# Altium PCB Board.PcbDoc (part 2 of 3)
Units mil, origin at the board's own origin, x right, y up, seen from the top; angles counter-clockwise.
Board outline 8590 x 4645 mil, 4 copper layers (Top Layer, Layer 1, Layer 2, Bottom Layer), stack 23.756 mil thick; 245 components, 130 nets, 802 pads, 765 vias.
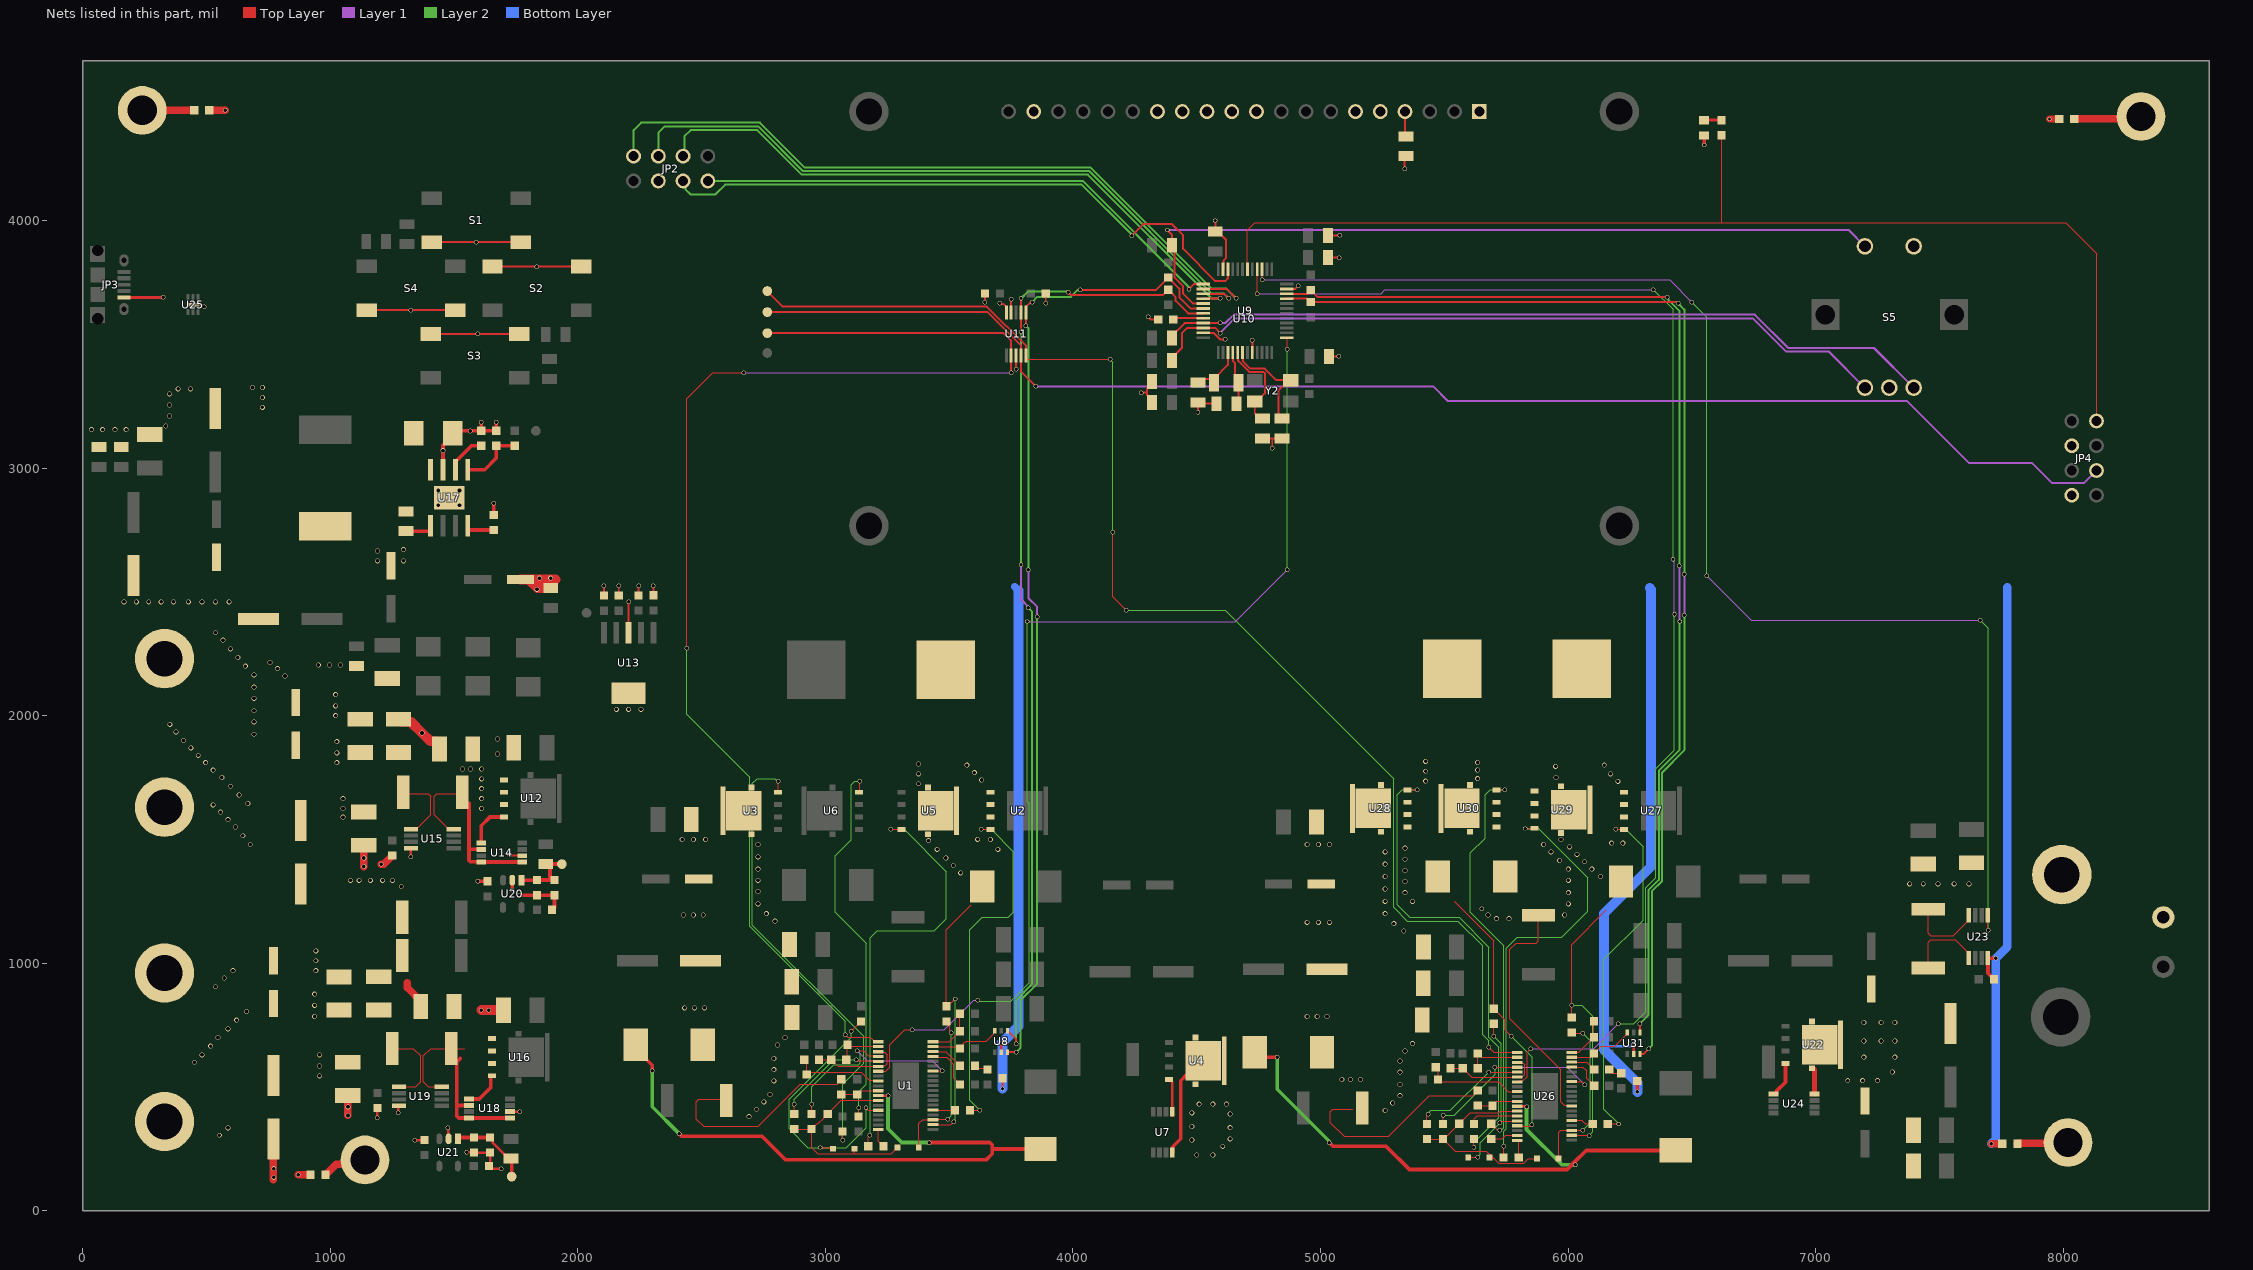
[diagram p4: the nets of this part, all layers, seen from the top]

## Via types
v1: diameter 20, hole 15, Top Layer to Bottom Layer, 502 vias
v2: diameter 18, hole 14, Top Layer to Bottom Layer, 262 vias
v3: diameter 40, hole 28, Top Layer to Bottom Layer, 1 vias

## Nets (pads, with @x,y where several pads share a name; then routed paths per layer and width w, separated by ;. In a path a pad name is that pad's centre, name@x,y a point inside that pad or via, vN(x,y) a via of type N, cw(c..) or ccw(c..) an arc to the next point about the centre after c; other vN are vias at no path point) (continued)
DAC_OUTB: TP2.1 U1.1 U11.2 | length 5462
  Top Layer w5: v2(2439.01,2271.82) 2439.01,3279.01 2545,3385 v2(2670,3385) ; v2(3080,710) 3080.29,710 3089.43,700.86 3180.08,700.86 3198.77,682.17 U1.1@3213.62,682.17
  Top Layer w8: TP2.1@2765,3545 3718.96,3545 3749.95,3514.02 3749.95,3455.37 U11.2@3750.31,3455 3750.31,3385 v2(3750.15,3384.83)
  Layer 1 w5: v2(2670,3385) 3749.99,3385 v2(3750.15,3384.83)
  Layer 2 w5: v2(2439.01,2271.82) 2439.01,2005.99 2695,1750 2695,1149.72 3080,764.72 v2(3080,710)
DAC_OUTC: JP4.6 TP3.1 U11.4 | length 5738
  Top Layer w8: TP3.1@2765,3630 3655,3630 3789.69,3495.31 U11.4@3789.69,3455 3789.69,3390.31 v2(3850,3330)
  Layer 1 w8: v2(3850,3330) 5455,3330 5515,3270 7370,3270 7620,3020 7875,3020 7955,2940 8085,2940 JP4.6@8135,2990
DAC_OUTD: TP4.1 U11.5 U26.1 | length 5421.2
  Top Layer w5: U11.5@3809.37,3455 3809.37,3443.41 3812.78,3440 v2(4150,3440) ; v2(4160,2740) 4160,2480 v2(4215,2425) ; v2(5680,660) 5700.76,639.24 U26.1@5795,639.24
  Top Layer w8: TP4.1@2765,3715 2827.51,3652.49 3652.51,3652.49 3809.37,3495.63 U11.5@3809.37,3455
  Layer 2 w5: v2(4150,3440) 4150,3436.67 4160,3426.67 v2(4160,2740) ; v2(4215,2425) 4615,2425 5295,1745 5295,1225 5350,1170 5555,1170 5655,1070 5655,710.86 5680,685.86 v2(5680,660)
GND: C18.2 C20.1 C21.1 C22.1 C23.1 C24.2 C25.2 C26.2 C27.2 C28.2 C29.2 C30.1 C31.1 C32.1 C33.2 C34.2 C35.2 C36.2 C37.2 C38.2 C39.2 C40.2 C41.2 C42.2 C43.2 C44.1 C45.2 C46.2 C47.2 C48.2 C49.2 C50.2 C51.2 C52.1 C53.2 C54.2 C55.2 C56.2 C58.1 C59.1 C60.2 C61.2 C62.2 C63.2 C64.2 C65.2 C66.1 C67.1 C68.1 C69.1 C70.1 C71.1 C79.2 C97.2 D8.2 D9.2 JP2.3 JP3.5 JP4.3 JP4.7 JP10.1 JP11.1 R16.1 R20.1 R24.2 R25.2 R28.2 R29.2 R33.2 R34.1 R37.1 R38.1 R41.1 R42.1 S1.2 S2.2 S3.2 S4.2 S5.2 S5.C U8.2 U9.8 U9.23 U9.35 U9.47 U10.1 U10.19 U11.3 U11.9 U11.10 U13.3 U14.6 U15.4 U17.7 U18.6 U19.4 U20.2 U21.2 U23.4 U25.7 U31.2 | length 12684.9
  Top Layer w8: JP3.5@166.3,3689.45 JP3.5@166.57,3689.72 ; v2@324.72,3689.72 v2(325,3690) ; U25.7@466.25,3660 480,3660 v2@490,3650 ; S4.2@1146.73,3637.83 v2(1325,3637.83) S4.2@1505,3637.83 S4.2@1528.56,3661.39 ; S3.2@1405,3541.73 v2(1595,3541.73) S3.2@1763.27,3541.73 ; S1.2@1410,3912.83 v2(1589.13,3912.83) S1.2@1768.27,3912.83 ; S2.2@1655,3813.9 v2(1834.13,3813.9) S2.2@2013.27,3813.9 ; v2(1720.36,1442.13) 1728.67,1433.82 U14.6@1775,1433.82 ; C42.2@2105,2485 v2(2105,2525) ; C41.2@2165,2485 v2(2165,2525) ; U13.3@2205,2335 v2(2205,2460) ; C40.2@2244.84,2485 C40.2@2245,2485.16 v2(2245,2525) ; C39.2@2304.49,2485 C39.2@2305,2485.51 v2(2305,2525) ; v2(3643.51,3670.49) 3644.49,3671.47 C29.2@3644.49,3705 ; v2(3705,3665) 3706.91,3663.09 3718.41,3663.09 3730.63,3650.87 U11.10@3730.63,3628.23 ; U11.9@3750.31,3628.23 3750.31,3680.93 v2(3750.45,3681.06) ; v2(3770,3400) U11.3@3770,3455 ; v2(3890,3665) 3890,3704.49 C28.2@3890.51,3705 ; v2(4275,3305) 4300,3305 ; v2@4305,3610 4315,3600 R16.1@4344.49,3600 ; C30.1@4320,3265 4320,3275 4300,3295 4300,3305 ; C26.2@4320,3350 4320,3340 4300,3320 4300,3305 ; v2(4505,3225) C20.1@4505,3265 4510,3260 C21.1@4580,3260 ; U9.47@4526.75,3546.4 4567.7,3546.4 4594,3520.09 4614.91,3520.09 v2(4615,3520) ; v2(4575,4000) C27.2@4575,3955 4585,3955 4618.73,3921.27 4618.73,3848.73 4607.9,3837.9 4607.9,3804.75 U9.35@4606.4,3803.25 ; U9.8@4724.53,3466.75 4724.53,3514.53 v2@4725,3515 ; C22.1@4765,3120 4805,3120 ; v2@4805,3080 4805,3120 ; C23.1@4845,3120 4805,3120 ; U9.23@4863.25,3723.6 4898.6,3723.6 v2@4910,3735 ; C25.2@5025.51,3459.49 C25.2@5035,3450 v2@5075,3450 ; C31.1@5030,3850 v2(5075,3850) ; C24.2@5030,3940 v2(5077.01,3940.02) ; v2(5340,4210) 5340,4255 R20.1@5345,4260
  Top Layer w10: v2(1190,375) C64.2@1190,414.49 ; v2(1275,395) 1275,421.46 U19.4@1276.77,423.23 ; v2(1325,1430) U15.4@1325,1464.41 ; v2(1340,285) 1375,285 1375.51,285.51 C71.1@1380,285.51 ; v2(1475,335) 1476.3,333.7 1476.3,291.54 U21.2@1477.6,290.24 ; v2(1550,235) 1579.49,235 C70.1@1580,234.49 R38.1@1645,234.49 1645,184.49 C66.1@1640.51,180 1640,179.49 1649.49,170 v2(1690,170) ; U18.6@1725.77,399.83 1725.86,399.91 1764.91,399.91 v2(1765,400) ; U8.2@3710,640 3711.01,641.01 3711.01,675.95 v2(3712.03,676.97) ; C18.2@3715,534.49 3715.28,534.2 v2(3715.28,492.82) ; U31.2@6265,633.39 v2(6265,675)
  Top Layer w12: JP3.5@166.57,3689.72 v2@324.72,3689.72
  Top Layer w15: U17.7@1455,2993.19 v1(1455,3070) 1455,3091.42 1493.74,3130.16 D9.2@1493.74,3140 1504.25,3150.51 C65.2@1610,3150.51 ; v2(1595,1330) 1595.26,1330.26 1634.74,1330.26 C69.1@1635,1330.51 ; v2(1608.75,3185.44) 1610,3184.19 C65.2@1610,3150.51 ; v2(1659.23,2858.12) 1660,2857.34 R33.2@1660,2810.51 ; v2(1670,3185) R34.1@1670,3150.51 C65.2@1610,3150.51 ; v2(1735,1295) U20.2@1735,1335 ; v2(1765,1275) 1765.51,1274.49 C68.1@1835,1274.49 R37.1@1905,1274.49 1905,1224.49 C67.1@1895.51,1215 ; v2(6280,480) C97.2@6280,523.98 ; v2(6550,4305) D8.2@6550,4343.98 ; C79.2@7720.51,935 7696.18,959.33 U23.4@7696.18,1020 v2(7728.5,1020)
  Top Layer w30: R28.2@510.51,4445 v2(575,4445) ; v1@770,125 C52.1@770,290 ; v2(870,145) R29.2@919.49,145 ; v1@1070,384.53 C55.2@1070,465 ; v1(1135,1390) C35.2@1135,1475.75 ; v2(1205,1400) 1215.51,1400 C43.2@1250,1434.49 ; 1310,920 1310,901.26 1365,846.26 C48.2@1365,825 ; v2(7710,270) R25.2@7754.49,270 ; v2(7945,4410) R24.2@7984.49,4410
  Top Layer w40: C36.2@1275,1985 1284.92,1975.08 1324.92,1975.08 v1(1370,1930) 1403.82,1896.18 1430.83,1896.18 1440.75,1886.26 C37.2@1440.75,1865 ; v2(1610,810) v2(1640,810) C47.2@1700,810 ; C50.2@1768.23,2550 C50.2@1801.06,2550 ; 1860.88,2550 1910,2550 ; C45.2@1890,2515 1836.06,2515 C50.2@1801.06,2550 ; C50.2@1801.06,2550 1859.11,2550 ; 1859.11,2550 1860,2549.11 1860,2550 1859.11,2550
  Bottom Layer w10: 6145,650 6160,665 6255,665 v2(6265,675)
  Bottom Layer w30: v2(3712.03,676.97) v2@3715.28,673.71 ; 3765,2520 3780,2505
  Bottom Layer w35: v2(7710,270) 7728.5,288.5 v2(7728.5,1020) 7775,1066.5 7775,2517.84
  Bottom Layer w40: v2(3712.03,676.97) 3780,744.94 3780,2505 ; v2(3715.28,492.82) v2@3715.28,673.71 ; v2(6280,480) 6280,515 6145,650 6145,1200 6335,1390 6335,2510 6330,2515
  other v1: 771.31,134.53 771.31,169.53 1071.31,384.53 1071.31,419.53 536.31,904.53 571.31,939.53 606.31,969.53 941.31,969.53 941.31,1009.53 941.31,1049.53 1286.31,1309.53 1081.31,1334.53 1116.31,1334.53 1161.31,1334.53 1211.31,1334.53 1251.31,1334.53 1135,1425 676.31,1479.53 646.31,1514.53 616.31,1549.53 586.31,1579.53 556.31,1609.53 526.31,1639.53 1675,1845 1675,1905 1021.31,1999.53 2155,2025 2205,2025 2255,2025 1021.31,2039.53 1021.31,2084.53 816.31,2159.53 786.31,2189.53 951.31,2204.53 996.31,2204.53 1041.31,2204.53 756.31,2214.53 166.31,2459.53 216.31,2459.53 266.31,2459.53 316.31,2459.53 366.31,2459.53 426.31,2459.53 481.31,2459.53 536.31,2459.53 591.31,2459.53 1835,2510 1845,2555 1890,2555 1190,2625 1295,2625 1190,2665 1295,2670 1436.31,2849.53 1521.31,2849.53 1436.31,2909.53 1521.31,2909.53 1565,3150 35,3155 80,3155 130,3155 175,3155 335,3170 350,3210 725,3245 350,3255 725,3285 350,3300 385,3320 435,3320 685,3325 725,3325
  other v2: 4804.23,3080.77 5074.23,3450.77 4724.23,3515.77 4304.23,3610.77 490.77,3650.77 4909.23,3735.77
GPIO_LED1: JP4.2 R27.2 U9.30 | length 4680.5
  Top Layer w5: U9.30@4704.85,3803.25 4704.85,3959.85 4735,3990 6620,3990 ; R27.2@6620,4344.49 6620,3990 ; JP4.2@8135,3190 8135,3865 8010,3990 6620,3990
I2C1_SCL: R48.1 U8.3 U9.42 U11.6 | length 3930.3
  Top Layer w8: U8.3@3735.59,640 v2(3770,640) ; v2(3810,3575) 3809.37,3575.63 U11.6@3809.37,3628.23 3809.37,3650.87 3826.59,3668.09 3833.09,3668.09 v2(3835,3670) ; v2(4030,3720) 4335.51,3720 R48.1@4385,3769.49 ; R48.1@4390,3764.49 4397.73,3756.76 4430,3724.49 4430,3690 4473.75,3646.25 4475.7,3644.3 U9.42@4526.2,3644.3
  Layer 1 w8: v2(3820,2590) 3820,2475 3855,2440 v2(3855,2400)
  Layer 2 w8: v2(3770,640) 3788.5,658.5 3788.5,850.98 3855,917.48 v2(3855,2400) ; v2(3810,3575) 3820,3565 v2(3820,2590) ; v2(3835,3670) 3856.48,3691.48 3991.48,3691.48 4020,3720 v2(4030,3720)
I2C1_SDA: R49.1 U8.4 U9.43 U11.7 | length 3932.5
  Top Layer w8: U8.4@3735.59,726.61 3770,692.2 v2(3770,675) ; v2(3790,3550) 3789.84,3550.16 3789.84,3684.84 v2(3790,3685) ; v2(3980,3710) 3990,3700 4364.49,3700 R49.1@4385,3720.51 4397.73,3707.78 4398.01,3707.78 4415,3690.79 4415,3675 4464.85,3625.15 U9.43@4526.75,3625.15
  Layer 1 w8: v2(3790,2610) 3790,2470 3820,2440 v2(3820,2435)
  Layer 2 w8: v2(3770,675) 3770,850.86 3835,915.86 3835,2420 v2(3820,2435) ; v2(3790,2610) v2(3790,3550) ; v2(3790,3685) 3818,3713 3977,3713 v2(3980,3710)
I2C2_SCL: R46.1 U9.21 U31.3 | length 4714.9
  Top Layer w8: U9.21@4863.25,3684.23 4946.29,3684.23 R46.1@4960,3670.51 6436.78,3670.51 6442.07,3665.23 v2(6445.23,3665.23) ; U31.3@6290.59,633.39 6305.35,633.39 v2(6325.46,653.5)
  Layer 1 w8: v2(6470,2405) v2(6470,2570)
  Layer 2 w8: v2(6325.46,653.5) 6340,668.04 6340,1291.62 6380,1331.62 6380,1770 6470,1860 v2(6470,2405) ; v2(6445.23,3665.23) 6445.23,3664.77 6470,3640 v2(6470,2570)
I2C2_SDA: R47.1 U9.22 U31.4 | length 4609.7
  Top Layer w8: U9.22@4863.25,3703.91 4949.43,3703.91 4960,3714.49 4965,3714.49 4989.49,3690 v2(6400,3690) ; v2(6290,755) 6290,720.59 U31.4@6290.59,720
  Layer 1 w8: v2(6450,2605) 6450.75,2604.25 6450.75,2380.75 v2(6451.5,2380)
  Layer 2 w8: v2(6290,755) 6325.5,790.5 6325.5,1295.5 6366.5,1336.5 6366.5,1776.5 6450,1860 6450,2378.5 v2(6451.5,2380) ; v2(6400,3690) 6400,3687.29 6405,3682.29 6405,3680 6450,3635 v2(6450,2605)
INTVCC1: C7.1 D1.2 D2.2 R8.2 R11.2 U1.13 | length 856.2
  Top Layer w5: R8.2@2873.86,329.49 2873.86,325 2878.35,329.49 R11.2@2943.86,329.49 ; D1.2@3117.17,250 3117.17,230 ; U1.13@3213.62,445.13 3213.49,445 3063.35,445 2994.63,376.28 2994.63,375.77 2968.86,350 2964.37,350 R11.2@2943.86,329.49 ; D2.2@3290.55,255 3265.55,230 3117.17,230 ; R11.2@2943.86,329.49 2943.86,255 2968.86,230 3117.17,230
INTVCC2: C86.1 D14.2 D15.2 R59.2 R62.2 U26.13 | length 840.5
  Top Layer w5: R59.2@5430,288.98 R62.2@5495,288.98 ; U26.13@5795,402.2 5726.53,402.2 5719.32,395 5604.49,395 5574.23,364.74 C86.1@5560,350.51 5512.7,303.21 5509.23,303.21 R62.2@5495,288.98 ; D15.2@5875,210 5839.58,210 5820.35,190.77 5719.65,190.77 5689.36,221.05 5670.42,240 5543.98,240 R62.2@5495,288.98
ISNS_CONV1: U1.7 U9.13 | length 4352.1
  Top Layer w5: U1.7@3213.62,563.24 3243.24,563.24 3260,580 3260,670 3320,730 v2(3350,730) ; U9.13@4863.25,3526.7 4865,3524.95 v2(4865,3480)
  Layer 1 w5: v2(3350,730) 3480,730 3600,850 v2(3615,850) ; v2(3815,2380) 4655,2380 v2(4865,2590)
  Layer 2 w5: v2(3615,850) 3618.52,850 3623.52,845 3747.88,845 3823.5,920.62 3823.5,1644.3 3815,1652.8 v2(3815,2380) ; v2(4865,2590) v2(4865,3480)
ISNS_CONV2: U9.28 U26.7 | length 5398.7
  Top Layer w5: U9.28@4744.23,3803.25 4744.61,3802.86 4744.61,3705.39 v2(4745,3705) ; U26.7@5795,520.32 5798.8,524.11 5817.67,524.11 5835,541.44 5835,640 5849.9,654.9 v2(5849.71,654.9)
  Layer 1 w5: v2(4745,3705) 5245,3705 5260,3720 v2(6345,3720) ; v2(5849.71,654.9) 6103.05,654.9 v2(6202.94,754.78) ; v2(6424.02,2630.78) 6430,2624.8 v2(6430,2410)
  Layer 2 w5: v2(6202.94,754.78) 6264.78,754.78 6314,804 6314,1304 6355,1345 6355,1785 6430,1860 v2(6430,2410) ; v2(6345,3720) 6424.02,3640.98 v2(6424.02,2630.78)
JTCK: JP2.7 U9.37 | length 2198.7
  Top Layer w8: v2(4468.77,3722) 4468.77,3724.29 4474.48,3730 4475,3730 4488.3,3743.3 U9.37@4526.75,3743.3
  Layer 2 w8: JP2.7@2525,4160 2526,4159 4041,4159 4468.77,3731.23 v2(4468.77,3722)
JTDI: JP2.2 U9.38 | length 2995.8
  Top Layer w8: U9.38@4526.75,3723.6 4621.4,3723.6 v2(4660,3685)
  Layer 2 w8: JP2.2@2225,4260 2225,4365 2255,4395 2735,4395 2915,4215 4070,4215 4560,3725 4620,3725 v2(4660,3685)
JTDO: JP2.4 U9.39 | length 2809.3
  Top Layer w8: U9.39@4526.75,3703.91 4611.09,3703.91 v2(4630,3685)
  Layer 2 w8: JP2.4@2325,4260 2325,4355 2350,4380 2728.38,4380 2908.38,4200 4065,4200 4560,3705 4610,3705 v2(4630,3685)
JTMS: JP2.5 U9.34 | length 2532.7
  Top Layer w8: v2(4236.54,3938) 4283.54,3985 4400,3985 4445,3940 4445,3885 4575,3755 4615,3755 4626.09,3766.09 U9.34@4626.09,3803.25
  Layer 2 w8: JP2.5@2425,4160 2434.2,4150.8 2434.2,4125.8 2455,4105 2555,4105 2595,4145 4035,4145 4236.54,3943.46 v2(4236.54,3938)
NetC1_2: C1.2 C2.1 C3.1 C4.1 C5.1 C6.1 D3.2 R5.1 R7.2 U3.D | length 886.4
  Top Layer w5: R5.1@2598.86,445 2593.86,450 2488.86,450 2478.86,440 2478.86,370 2508.86,340 2728.86,340 2783.86,395 2898.86,510 3046.7,510 3049.63,512.93 3049.63,516.28 3058.35,525 R7.2@3063.86,525 ; R7.2@3063.86,530.51 R7.2@3073.86,540.51
  other v1: 2691.31,379.53 2721.31,409.53 2751.31,439.53 2776.31,469.53 2791.31,524.53 2791.31,569.53 2791.31,614.53 2806.31,669.53 2836.31,699.53 2431.31,819.53 2471.31,819.53 2511.31,819.53 2796.31,1169.53 2426.31,1194.53 2466.31,1194.53 2506.31,1194.53 2761.31,1199.53 2727.5,1239.53 2727.5,1289.53 2727.5,1334.53 2727.5,1379.53 2727.5,1429.53 2727.5,1479.53 2421.31,1499.53 2466.31,1499.53 2516.31,1499.53
NetC8_1: C8.1 R7.1 U1.11 | length 165.8
  Top Layer w5: R7.1@3063.86,463.98 3069.88,470 3123.35,470 3128.86,464.49 C8.1@3128.86,469.49 3143.09,483.72 3145.24,483.72 3146.02,484.5 U1.11@3213.62,484.5
NetC9_1: C9.1 D1.1 U1.15 | length 1116.5
  Top Layer w5: v2(2978.86,255) 3025.55,255 D1.1@3030.55,250 ; v2(3103.86,725) 3104.37,725 C9.1@3143.86,764.49 ; v2(3163.86,415) 3173.1,405.76 U1.15@3213.62,405.76
  Layer 2 w5: v2(3103.86,725) 3103.86,700.86 2853.86,450.86 2853.86,330 2928.86,255 v2(2978.86,255) 3083.86,255 3163.86,335 v2(3163.86,415)
NetC10_1: C10.1 D2.1 U1.22 | length 630.2
  Top Layer w5: D2.1@3377.17,255 3377.17,352.17 3392.2,367.2 U1.22@3434.09,367.2 3435.49,368.6 3492.46,368.6 3492.56,368.5 v2(3493.86,368.5) ; C10.1@3488.86,764.49 3503.09,750.26 3503.09,726.81 3507.66,722.24 v2(3507.66,718.72)
  Layer 2 w5: v2(3493.86,368.5) 3493.86,370 3507.66,383.8 v2(3507.66,718.72)
NetC10_2: C10.2 D5.2 L1.2 U1.21 U2.S U5.D | length 1085.4
  Top Layer w5: U1.21@3434.09,347.52 3506.38,347.52 v2(3518.86,360) ; v2(3523.86,855) 3508.6,839.74 3503.09,839.74 C10.2@3488.86,825.51 3488.86,1135 3588.86,1235
  Layer 2 w5: v2(3518.86,360) 3524.16,365.3 3524.16,854.7 v2(3523.86,855)
  other v1: 3546.31,1364.53 3516.31,1394.53 3486.31,1424.53 3451.31,1459.53 3696.31,1459.53 3416.31,1494.53 3615,1500 3666.31,1499.53 3376.31,1724.53 3631.31,1739.53 3376.31,1764.53 3601.31,1769.53 3571.31,1799.53 3376.31,1804.53
NetC16_1: C16.1 R12.2 U1.3 U1.6 | length 381.6
  Top Layer w5: C16.1@2973.86,609.49 3023.35,609.49 3028.35,609.49 R12.2@3037.83,609.49 ; R12.2@3023.35,610 3037.58,595.77 3038.09,595.77 3050.93,582.92 U1.6@3213.62,582.92 3215.54,584.85 3239.85,584.85 3248.86,593.86 3248.86,630 3238.86,640 3215.6,640 U1.3@3213.62,641.98
NetC17_1: C17.1 R12.1 U1.2 | length 187.8
  Top Layer w5: R12.1@3089.37,610 3088.86,610.51 3088.86,669.49 C17.1@3089.37,670 3094.37,665 3211.1,665 U1.2@3213.62,662.48
NetC19_1: C19.1 R13.1 | length 56.6
  Top Layer w5: R13.1@3604.37,585 3614.37,575 3650.51,575 C19.1@3655,570.51
NetC20_2: C20.2 U9.3 Y1.1 | length 216.2
  Top Layer w8: C20.2@4505,3360 4555,3360 Y1.1@4570,3345 4570,3360.75 4626.09,3416.83 U9.3@4626.09,3466.75
NetC21_2: C21.2 U9.4 Y1.2 | length 219.6
  Top Layer w8: U9.4@4645.77,3466.75 4645.77,3433.39 4655,3424.17 4655,3358.43 Y1.2@4668.43,3345 4668.43,3268.43 C21.2@4660,3260
NetC22_2: C22.2 U9.5 Y2.1 | length 385.5
  Top Layer w8: U9.5@4665.47,3466.75 4666.97,3465.25 4666.97,3433.03 4711.39,3388.61 4741.34,3388.61 4769.55,3388.61 4774.83,3383.33 4774.83,3371 4774.83,3301.99 4741.22,3268.39 Y2.1@4734.33,3268.39 4734.33,3220.67 4755,3200 C22.2@4765,3200
NetC23_2: C23.2 U9.6 Y2.3 | length 439.8
  Top Layer w8: U9.6@4685.15,3466.75 4686.65,3465.25 4686.65,3431.73 4716.78,3401.61 4746.73,3401.61 4774.94,3401.61 4821.55,3355 Y2.3@4873.11,3355 ; C23.2@4845,3200 4830,3215 4830,3311.89 Y2.3@4873.11,3355 ; Y2.3@4880,3355 Y2.3@4873.11,3355
NetC32_2: C32.2 C33.1 C34.1 C35.1 C36.1 JP9.1 R30.1 U15.1 | length 295.6
  Top Layer w5: R30.1@1295,1690 1300,1685 1395,1685 1405,1675 1405,1600 1352.54,1547.54 1331.36,1547.54 U15.1@1325,1541.18
  other v1: 1051.31,1589.53 1051.31,1624.53 666.31,1644.53 1051.31,1664.53 631.31,1679.53 596.31,1714.53 561.31,1749.53 526.31,1779.53 496.31,1809.53 1026.31,1809.53 466.31,1839.53 1026.31,1849.53 436.31,1869.53 1026.31,1894.53 406.31,1899.53 691.31,1924.53 376.31,1934.53 351.31,1964.53 691.31,1974.53 691.31,2019.53 691.31,2069.53 691.31,2114.53 691.31,2164.53 656.31,2199.53 626.31,2234.53 596.31,2269.53 566.31,2304.53 536.31,2334.53
NetC37_1: C37.1 R30.2 U12.S U14.2 U14.4 U14.5 U15.8 | length 796.4
  Top Layer w5: U15.8@1498.23,1541.18 1478.54,1541.18 1420,1599.72 1420,1675 1430,1685 1528.19,1685 R30.2@1533.19,1690 ; U14.4@1607.87,1410 U14.4@1609.65,1408.23
  Top Layer w15: 1560,1645 1560,1455 ; U14.4@1607.87,1410 1565,1410 1560,1415 1560,1455 ; U14.4@1609.65,1408.23 U14.5@1775,1408.23 ; U14.2@1609.65,1459.41 1564.41,1459.41 1560,1455
  other v1: 1611.31,1624.53 1611.31,1664.53 1611.31,1704.53 1611.31,1744.53 1534,1784.53 1566.31,1784.53 1611.31,1784.53
NetC48_1: C48.1 R31.2 U16.S U18.2 U18.4 U18.5 U19.8 | length 967.5
  Top Layer w5: U19.8@1427.52,497.2 U19.8@1458.56,497.2 ; U19.8@1450,500 1395,500 1375,520 1375,625 1405,655 1459.09,655 ; R31.2@1503.19,640 R31.2@1488.19,655 1542.28,655
  Top Layer w15: R31.2@1488.19,655 1488.19,616.69 1506.28,598.6 1510,598.6 1510,425 ; R31.2@1508.6,598.6 1525,615 ; U18.2@1560.42,425.42 1560,425 1510,425 ; U18.5@1725.77,374.24 U18.4@1560.42,374.24 1518.79,374.24 1510,383.02 1510,425
NetC52_2: C52.2 C53.1 C54.1 C55.1 C56.1 JP12.1 R31.1 U19.1 | length 338.3
  Top Layer w5: U19.1@1270,505 1293.82,505 U19.1@1286.36,497.54 ; R31.1@1275,655 1335,655 1365,625 1365,520 1345,500 1294,500 1286.36,500 U19.1@1276.77,500
  other v1: 551.31,304.53 586.31,334.53 956.31,544.53 956.31,584.53 451.31,599.53 481.31,629.53 956.31,629.53 516.31,664.53 546.31,699.53 586.31,734.53 621.31,769.53 936.31,784.53 661.31,804.53 936.31,829.53 936.31,874.53
NetC57_1: C57.1 U17.1 | length 120.4
  Top Layer w15: C57.1@1305,2745 1402.66,2745 1405,2747.34 U17.1@1405,2766.81
NetC57_2: C57.2 D9.1 L2.1 U17.8
NetC65_1: C65.1 U17.6 | length 164.5
  Top Layer w15: U17.6@1505,2993.19 1505,3026.65 1507.34,3029 1509,3029 1569.49,3089.49 C65.1@1610,3089.49
NetC68_2: C68.2 R35.2 R37.2 TP7.1 U20.1 | length 252.3
  Top Layer w15: U20.1@1772.4,1335 1772.66,1335.26 1834.74,1335.26 C68.2@1835,1335.51 1887.5,1335.51 ; R35.2@1870,1400 R35.2@1877.5,1400 ; R37.2@1905,1335.51 1887.5,1335.51 ; TP7.1@1935,1400 1887.5,1400 1887.5,1335.51
NetC70_2: C70.2 R36.2 R38.2 TP8.1 U21.1 | length 344.9
  Top Layer w10: R38.2@1645,295.51 1656.73,283.78 1656.73,273.27 1720,210 R36.2@1730,210
  Top Layer w15: U21.1@1515,290.24 1515,291.2 1519.31,295.51 C70.2@1580,295.51 R38.2@1645,295.51 ; TP8.1@1730,135 TP8.1@1732.5,137.5 R36.2@1732.5,207.5 ; R36.2@1730,210 R36.2@1732.5,207.5 ; R36.2@1732.5,212.5 R36.2@1732.5,207.5 ; R36.2@1735,205 R36.2@1732.5,207.5
NetC72_1: C72.1 C73.1 JP1.1 JP13.2 R39.2 U23.8 | length 312.7
  Top Layer w5: R39.2@7455,1218.19 7455,1120 7465,1110 7555.87,1110 7619.41,1173.54 U23.8@7619.41,1193.23
  other v1: 7380,1320 7435,1320 7495,1320 7560,1320 7620,1320
NetC74_2: C74.2 C75.1 C76.1 C77.1 C78.1 R39.1 U4.D U7.8 U22.D U23.1 U24.8 | length 762.2
  Top Layer w5: U22.D@6995.35,570.35 7000,575 ; R39.1@7455,980 7455,1085 7465,1095 7564.09,1095 7619.41,1039.68 U23.1@7619.41,1020
  Top Layer w15: U7.8@4401.18,234.65 4403.52,236.99 4403.52,258.52 4435,290 4435,525 U4.D@4460,550
  Top Layer w20: U24.8@6995.35,470.59 U22.D@6995.35,570.35
  other v1: 4500,225 4565,225 4605,260 4480,285 4635,290 4635,335 4480,340 4635,390 4480,395 4510,430 4565,430 4620,430 7130,525 7190,525 7250,525 7310,560 7195,620 7320,620 7195,685 7265,685 7320,685 7195,760 7265,760 7320,760
NetC80_1: C80.1 C81.1 C82.1 C83.1 C84.1 C85.2 D12.2 R50.1 R52.2 U28.D | length 833.8
  Top Layer w5: 5130,410 5050,410 5040,400 5040,355 5095,300 5275,300 5440,465 5614.49,465 R52.2@5635,485.51
  other v1: 5261.31,404.53 5291.31,434.53 5321.31,464.53 5321.31,509.53 5086.31,529.53 5121.31,529.53 5161.31,529.53 5321.31,559.53 5321.31,604.53 5341.31,644.53 5371.31,674.53 4946.31,784.53 4986.31,784.53 5026.31,784.53 5336.31,1129.53 5296.31,1159.53 4946.31,1164.53 4991.31,1164.53 5036.31,1164.53 5261.31,1199.53 5261.31,1249.53 5261.31,1299.53 5261.31,1349.53 5261.31,1399.53 5261.31,1449.53 4946.31,1479.53 4991.31,1479.53 5036.31,1479.53
NetC87_1: C87.1 R52.1 U26.11 | length 167.5
  Top Layer w5: R52.1@5635,424.49 5694.49,424.49 C87.1@5695,423.98 5712.6,441.57 U26.11@5795,441.57
NetC88_1: C88.1 D14.1 U26.15 | length 704.2
  Top Layer w5: D14.1@5596.69,215 v2(5635,215) ; v2(5700,705) C88.1@5700,754.49 ; v2(5723.5,355.17) 5723.67,355.17 5729.92,361.42 5793.58,361.42 U26.15@5795,362.83
  Layer 2 w5: v2(5635,215) 5635,218.33 5645,228.33 5645,275 5723.5,353.5 5723.5,358.68 5730,365.18 5730,675 v2(5700,705)
NetC88_2: C88.2 D17.1 L3.1 U26.16 U28.S U30.D | length 1095.5
  Top Layer w5: 5540,1250 5700,1090 C88.2@5700,815.51 5745,770.51 5745,730 v2(5770,705) ; U26.16@5795,343.15 5796.57,341.57 5848.06,341.57 v2(5853.75,347.27)
  Layer 2 w5: v2(5770,705) 5855,620 5855,348.52 v2(5853.75,347.27)
  other v1: 5371.31,1249.53 5341.31,1284.53 5341.31,1329.53 5341.31,1374.53 5341.31,1419.53 5341.31,1464.53 5425,1735 5635,1745 5425,1775 5635,1780 5635,1810 5425,1815
NetC89_1: C89.1 D15.1 U26.22 | length 671.6
  Top Layer w5: D15.1@5961.61,210 5961.61,316.61 5970,325 6014.75,325 U26.22@6015.47,324.28 6015.83,324.64 6059.64,324.64 v2(6060,325) ; C89.1@6015,719.49 6017.58,716.91 v2(6059.54,716.91)
  Layer 2 w5: v2(6059.54,716.91) 6090,686.45 6090,355 v2(6060,325)
NetC89_2: C89.2 D16.2 L3.2 U26.21 U27.S U29.D | length 1154.4
  Top Layer w5: C89.2@6015,780.51 v2(6015,830) 6015,1075 6155,1215 ; U26.21@6015.47,304.6 6083.84,304.6 v2(6085.24,303.2)
  Layer 2 w5: v2(6015,830) 6055,830 6100,785 6100,317.96 v2(6085.24,303.2)
  other v1: 6131.31,1349.53 6096.31,1379.53 6066.31,1409.53 6036.31,1439.53 6006.31,1469.53 6176.31,1484.53 6221.31,1484.53 5971.31,1499.53 6201.31,1734.53 5951.31,1749.53 6171.31,1764.53 5950,1795 6146.31,1799.53
NetC95_1: C95.1 R65.2 U26.3 U26.6 | length 393
  Top Layer w5: C95.1@5525,575 R65.2@5574.49,575 5610.99,538.5 5793.5,538.5 5798.8,543.8 5817.67,543.8 5825,551.13 5825,590 5819.74,595.26 5798.8,595.26 U26.3@5795,599.06
NetC96_1: C96.1 R65.1 U26.2 | length 225.9
  Top Layer w5: C96.1@5635,635 C96.1@5635.51,634.49 ; R65.1@5635.51,575 C96.1@5635.51,634.49 ; U26.2@5795,619.56 5650.44,619.56 C96.1@5635.51,634.49
NetC98_1: C98.1 R66.1 | length 59.7
  Top Layer w5: R66.1@6166.54,570 6181.54,555 C98.1@6220,555
NetD3_1: D3.1 D4.1 U1.12 | length 2715.3
  Top Layer w5: D3.1@2233.03,670 2233.03,654.25 D3.1@2279.74,607.54 ; 3673.86,247.5 3675.53,249.17 ; D4.1@3883.86,234.17 D4.1@3903.86,254.17
  Top Layer w10: U1.12@3213.62,464.81 v2(3253.86,464.81)
  Top Layer w15: D3.1@2233.03,670 2233.03,654.25 2300,587.28 v2(2300,565) ; v2(2410,310) 2410.29,310 2420.29,300 2745,300 2840,205 3648.86,205 3673.86,230 3673.86,247.5 3673.86,265 3663.86,275 v2(3418.86,275) ; 3675.53,249.17 D4.1@3868.86,249.17
  Layer 2 w15: v2(2300,565) 2300,420 v2(2410,310) ; v2(3253.86,464.81) 3252.36,463.31 3252.36,331.09 3308.45,275 v2(3418.86,275)
NetD8_1: D8.1 R27.1 | length 70.2
  Top Layer w12: D8.1@6550,4405 6550.26,4405.26 6619.74,4405.26 R27.1@6620,4405.51
NetD12_1: D12.1 D13.1 U26.12 | length 2437.3
  Top Layer w5: D12.1@4734.17,640 D12.1@4754.17,620 ; U26.12@5795,421.89 U26.12@5795.94,420.94 ; v2@5832.56,420.94 v2(5833.5,420) ; 6000.77,170.77 6015.83,185.83 6017.31,185.83 6020,188.52 6020,190 6025,185 v2(6030,185)
  Top Layer w10: U26.12@5795.94,420.94 v2@5832.56,420.94
  Top Layer w15: D12.1@4754.17,620 v2(4825,620) ; v2(5035,275) 5050,260 5265,260 5359.23,165.77 5995.77,165.77 6000.77,170.77 6020,190 6022.5,192.5 6073.35,243.35 D13.1@6435,243.35
  Layer 2 w15: v2(4825,620) 4825,490 5035,280 v2(5035,275) ; v2(5833.5,420) 5832.25,418.75 5832.25,328.16 5975.41,185 v2(6030,185)
NetD17_2: D17.2 R60.2 U26.27 U29.S U30.S | length 985.2
  Top Layer w5: R60.2@5880,1193.19 5880,1090 5870.61,1080.61 5790.61,1080.61 5765,1055 5765,775 5970,570 5970,440 5984.6,425.4 6012.78,425.4 U26.27@6015.47,422.71
  other v1: 5711.31,1179.53 5761.31,1179.53 5676.31,1194.53 5986.31,1194.53 5651.31,1219.53 6001.31,1239.53 6001.31,1284.53 6001.31,1334.53 6001.31,1379.53 5966.31,1414.53 5931.31,1449.53 5901.31,1479.53
NetJP5_1: JP5.1 R24.1 | length 273.6
  Top Layer w30: R24.1@8045.51,4410 8047.24,4411.73 8306.73,4411.73 JP5.1@8315,4420
NetJP6_1: JP6.1 R25.1 | length 206.6
  Top Layer w30: R25.1@7815.51,270 7817.24,271.73 8016.73,271.73 JP6.1@8020,275
NetJP7_1: JP7.1 R28.1 | length 209.5
  Top Layer w30: JP7.1@240,4445 R28.1@449.49,4445
NetJP8_1: JP8.1 R29.1 | length 184.3
  Top Layer w30: R29.1@980.51,145 1023.33,187.82 1122.82,187.82 JP8.1@1140,205
NetR1_1: R1.1 R2.2 U1.9 | length 372.2
  Top Layer w5: R2.2@2913.86,609.49 2924.37,598.98 R1.1@2924.37,550 2934.37,560 3143.86,560 3177.53,526.33 3211.16,526.33 U1.9@3213.62,523.87
NetR3_1: R3.1 R4.2 U1.38 | length 197
  Top Layer w5: U1.38@3434.09,682.17 3500.51,682.17 R3.1@3543.35,725 R4.2@3543.35,795
NetR8_1: R8.1 U1.5 | length 472.7
  Top Layer w5: R8.1@2873.86,390.51 2878.86,395.51 2873.86,400.51 v2(2873.86,430) ; v2(3123.86,610) 3128.86,605 3211.23,605 U1.5@3213.62,602.61
  Layer 2 w5: v2(2873.86,430) 2873.86,450 3033.86,610 v2(3123.86,610)
NetR10_1: R10.1 U1.37 U8.6 | length 288.9
  Top Layer w5: U1.37@3434.09,662.48 3535.87,662.48 R10.1@3543.35,655 3557.58,669.23 3557.58,674.18 3568.4,685 3650,685 3680.02,715.02 3680.02,720.02 U8.6@3685.02,725.02
NetR11_1: R11.1 U1.4 U1.32 | length 922.3
  Top Layer w5: v2(2943.86,430) 2943.86,395 R11.1@2956.63,382.23 ; v2(3128.86,645) 3153.86,645 3172.86,626 3209.92,626 U1.4@3213.62,622.29 ; U1.32@3434.09,564.06 3434.57,564.53 3471.89,564.53 v2(3472.36,565)
  Layer 1 w5: v2(3128.86,645) 3168.86,605 3432.36,605 v2(3472.36,565)
  Layer 2 w5: v2(2943.86,430) 2943.86,500 3033.86,590 3133.86,590 3140.36,596.5 3140.36,633.5 v2(3128.86,645)
NetR13_2: R13.2 U1.36 | length 133.2
  Top Layer w5: U1.36@3434.09,642.8 3485.55,642.8 R13.2@3543.35,585
NetR14_2: R14.2 U1.35 | length 188.6
  Top Layer w5: U1.35@3434.09,623.11 3437.89,619.31 3489.55,619.31 3519.11,589.74 3519.11,534.23 R14.2@3543.35,510
NetR16_2: R16.2 U9.44 | length 125.6
  Top Layer w8: R16.2@4405.51,3600 4410.98,3605.47 U9.44@4526.75,3605.47 U9.44@4525.25,3603.97
NetR18_2: R18.2 U3.G | length 1857.4
  Top Layer w5: U3.G@2808.86,1690 v2(2808.86,1735) ; R18.2@3068.86,319.49 3068.86,285.25 v2(3069,285.11)
  Layer 2 w5: v2(2808.86,1735) 2805.52,1735 2795.52,1745 2723.86,1745 2705,1726.14 2705,1153.86 3153.86,705 3153.86,595 3069,510.14 v2(3069,285.11)
NetR19_2: R19.2 U6.G | length 1518.1
  Top Layer w5: R19.2@3133.86,380.51 v2(3133.86,415) ; U6.G@3135.75,1690 3138.86,1693.11 v2(3138.86,1735)
  Layer 2 w5: v2(3133.86,415) 3133.86,480 3163.86,510 3163.86,1080 3038.86,1205 3038.86,1433.86 3103.86,1498.86 3103.86,1720 3118.86,1735 v2(3138.86,1735)
NetR20_2: R20.2 U10.4 | length 101.4
  Top Layer w8: U10.4@5341.57,4440 5341.57,4343.43 R20.2@5345,4340
NetR26_1: R26.1 S5.1 U9.41 | length 3226.9
  Top Layer w8: v2(4381.37,3961.59) 4400,3942.95 R26.1@4400,3900 4410.73,3889.27 4410.73,3769.27 4445,3735 4445,3705 4485.47,3664.53 U9.41@4526.75,3664.53
  Layer 1 w8: v2(4381.37,3961.59) 7133.45,3961.59 S5.1@7199.45,3895.59
NetR32_1: R32.1 R34.2 U17.5 | length 258.9
  Top Layer w15: U17.5@1555,2993.19 1623.19,2993.19 1670,3040 R34.2@1670,3089.49 R32.1@1745,3089.49
NetR33_1: R33.1 U17.4 | length 121.3
  Top Layer w15: U17.4@1555,2767.11 1555,2751.83 1557.34,2749.49 R33.1@1660,2749.49
NetR40_1: R40.1 S5.A U9.46 | length 3045.4
  Top Layer w8: R40.1@4400,3435 4400,3445 4440,3485 4440,3545 4461.09,3566.09 U9.46@4526.75,3566.09 4573.91,3566.09 v2(4595,3545)
  Layer 1 w8: v2(4595,3545) 4595,3546.62 4653.38,3605 6747,3605 6882,3470 7054.17,3470 S5.A@7199.45,3324.72
NetR43_1: R43.1 S5.B U9.45 | length 3163.8
  Top Layer w8: R43.1@4400,3525 4400,3535 4450.77,3585.77 U9.45@4526.75,3585.77 4594.73,3585.77 v2(4595.19,3586.23)
  Layer 1 w8: v2(4595.19,3586.23) 4616.23,3586.23 4650,3620 6755,3620 6890,3485 7236.02,3485 S5.B@7396.3,3324.72
NetR44_1: R44.1 U1.19 | length 75.6
  Top Layer w5: U1.19@3213.62,327.02 3213.62,280.75 R44.1@3234.37,260
NetR44_2: R44.2 U5.G | length 1713.9
  Top Layer w5: R44.2@3173.35,260 3173.35,299.49 v2(3178.86,305) ; v2(3263.86,1540) U5.G@3306.97,1540
  Layer 2 w5: v2(3178.86,305) 3180.36,306.5 3180.36,1101.5 3208.86,1130 3438.86,1130 3488.86,1180 3488.86,1370 3318.86,1540 v2(3263.86,1540)
NetR45_1: R45.1 U1.24 | length 106.3
  Top Layer w5: U1.24@3434.09,406.57 3435.67,405 3474.45,405 R45.1@3509.11,405 ; R45.1@3520.7,393.41 R45.1@3509.11,405 ; R45.1@3523.35,405 R45.1@3509.11,405
NetR45_2: R45.2 U2.G | length 1440.4
  Top Layer w5: R45.2@3584.37,405 v2(3623.86,405) ; v2(3628.86,1540) U2.G@3666.97,1540
  Layer 2 w5: v2(3623.86,405) 3583.86,445 3583.86,1135 3633.86,1185 3738.86,1185 3758.86,1205 3758.86,1450 3668.86,1540 v2(3628.86,1540)
NetR53_1: R53.1 R57.2 U26.9 | length 393.9
  Top Layer w5: R57.2@5465,579.49 5475,569.49 R53.1@5475,530 5485,520 5720,520 5759.06,480.94 U26.9@5795,480.94
NetR54_1: R54.1 R58.2 U26.38 | length 179.4
  Top Layer w5: U26.38@6015.47,639.24 6043.73,639.24 R54.1@6104.49,700 6104.49,764.49 R58.2@6105,765
NetR55_1: R55.1 U26.14 | length 200.2
  Top Layer w5: R55.1@5620,350 5621.3,351.3 5621.3,371.3 5632.52,382.52 U26.14@5795,382.52
NetR55_2: R55.2 U28.G | length 1910.8
  Top Layer w5: U28.G@5351.89,1700 v2(5390,1700) ; v2(5620,256.5) R55.2@5620,288.98
  Layer 2 w5: v2(5390,1700) 5330,1700 5310,1680 5310,1235 5360,1185 5560,1185 5680,1065 5680,700 5720,660 5720,375 5620,275 v2(5620,256.5)
NetR56_1: R56.1 U26.18 | length 110.9
  Top Layer w5: R56.1@5690,289.49 5734.79,289.49 5749.08,303.78 U26.18@5795,303.78
NetR56_2: R56.2 U30.G | length 1613.8
  Top Layer w5: R56.2@5690,350.51 5713.5,327.01 5721.49,327.01 v2(5723.5,325) ; U30.G@5710,1700 v2(5745,1700)
  Layer 2 w5: v2(5723.5,325) 5725.99,327.49 5732.49,327.49 5740,335 5740,1070 5605,1205 5605,1445 5665,1505 5665,1680 5685,1700 v2(5745,1700)
NetR59_1: R59.1 U26.5 | length 475.5
  Top Layer w5: R59.1@5430,350 5430,381.48 5435,386.48 v2(5435,390) ; v2(5680,560) 5794.69,560 U26.5@5795,559.68
  Layer 2 w5: v2(5435,390) 5435,395 5445,405 5525,405 v2(5680,560)
NetR61_1: R61.1 U26.37 U31.6 | length 268.4
  Top Layer w5: U26.37@6015.47,619.56 6089.56,619.56 R61.1@6105,635 6135,665 6189.33,665 6239.41,715.08 U31.6@6239.41,720
NetR62_1: R62.1 U26.4 U26.32 | length 888.5
  Top Layer w5: R62.1@5495,350 v2(5495,385) ; v2(5703.5,580) 5705,580 5705.31,579.69 5794.69,579.69 U26.4@5795,579.37 ; U26.32@6015.47,521.13 6054.88,521.13 v2(6068.18,507.83)
  Layer 1 w5: v2(5703.5,580) 5996.01,580 v2(6068.18,507.83)
  Layer 2 w5: v2(5495,385) 5540,385 5705,550 5705,578.5 v2(5703.5,580)
NetR63_1: R63.1 U26.19 | length 72.4
  Top Layer w5: U26.19@5795,284.09 5796.71,284.09 5800.51,280.3 R63.1@5800.51,215
NetR63_2: R63.2 U29.G | length 1751.4
  Top Layer w5: R63.2@5739.49,215 5740,215.51 v2(5740,260) ; v2(5826.48,1543.7) 5863.7,1543.7 U29.G@5865,1545
  Layer 2 w5: v2(5740,260) 5740,320.86 5750,330.86 5750,1060 5795,1105 5975,1105 6080,1210 6080,1345 5881.3,1543.7 v2(5826.48,1543.7)
NetR64_1: R64.1 U26.24 | length 90.8
  Top Layer w5: U26.24@6015.47,363.65 6016.82,365 6055,365 6070,350 R64.1@6099.49,350
NetR64_2: R64.2 U27.G | length 1431.3
  Top Layer w5: R64.2@6160.51,350 v2(6205,350) ; v2(6192.85,1541.46) 6225.51,1541.46 U27.G@6226.97,1540
  Layer 2 w5: v2(6192.85,1541.46) 6233.54,1541.46 6304,1471 6304,1174 6145,1015 6145,410 v2(6205,350)
NetR66_2: R66.2 U26.36 | length 102.4
  Top Layer w5: U26.36@6015.47,599.87 6075.64,599.87 R66.2@6105.51,570
NetR67_2: R67.2 U26.35 | length 138.5
  Top Layer w5: U26.35@6015.47,580.19 6059.81,580.19 6075,565 6075,535.51 R67.2@6105.51,505
NetU4_G: U4.G U7.1 | length 156.8
  Top Layer w10: U4.G@4388.11,530 4394.41,530 4399.25,525.16 4399.25,521.23 4401.18,519.3 U7.1@4401.18,382.32
NetU12_G: U12.G U14.1 | length 176.2
  Top Layer w15: U14.1@1609.65,1485 1609.65,1554.65 1645,1590 U12.G@1701.57,1590
NetU16_G: U16.G U18.1 | length 158
  Top Layer w15: U18.1@1560.42,451.01 1601.01,451.01 1647.65,497.65 1647.65,542.66 1650,545 U16.G@1653.11,545
NetU22_G: U22.G U24.1 | length 150.1
  Top Layer w15: U24.1@6830,470.59 6839.84,470.59 6842.19,472.93 6842.19,482.78 6878.11,518.7 U22.G@6878.11,595
NJTRST: JP2.6 U9.40 | length 2607.7
  Top Layer w8: U9.40@4526.75,3684.23 4527.14,3684.61 4594.61,3684.61 v2(4595,3685)
  Layer 2 w8: JP2.6@2425,4260 2430,4265 2430,4340 2455,4365 2725,4365 2905,4185 4060,4185 4560,3685 v2(4595,3685)
OUTPORT_ISNS: U9.27 U23.5 | length 5450.3
  Top Layer w5: U9.27@4763.91,3803.25 4764.46,3802.71 4764.46,3760.54 v2(4765,3760) ; U23.5@7696.18,1193.23 7696.18,1134.74 v2(7697.32,1133.61)
  Layer 1 w5: v2(4765,3760) 6410,3760 v2(6500,3670) ; v2(6560,2565) 6740,2385 v2(7665,2385)
  Layer 2 w5: v2(6500,3670) 6560,3610 v2(6560,2565) ; v2(7665,2385) 7697.32,2352.68 v2(7697.32,1133.61)